# KiCad board tklc_v1_rgb_LP.kicad_pcb
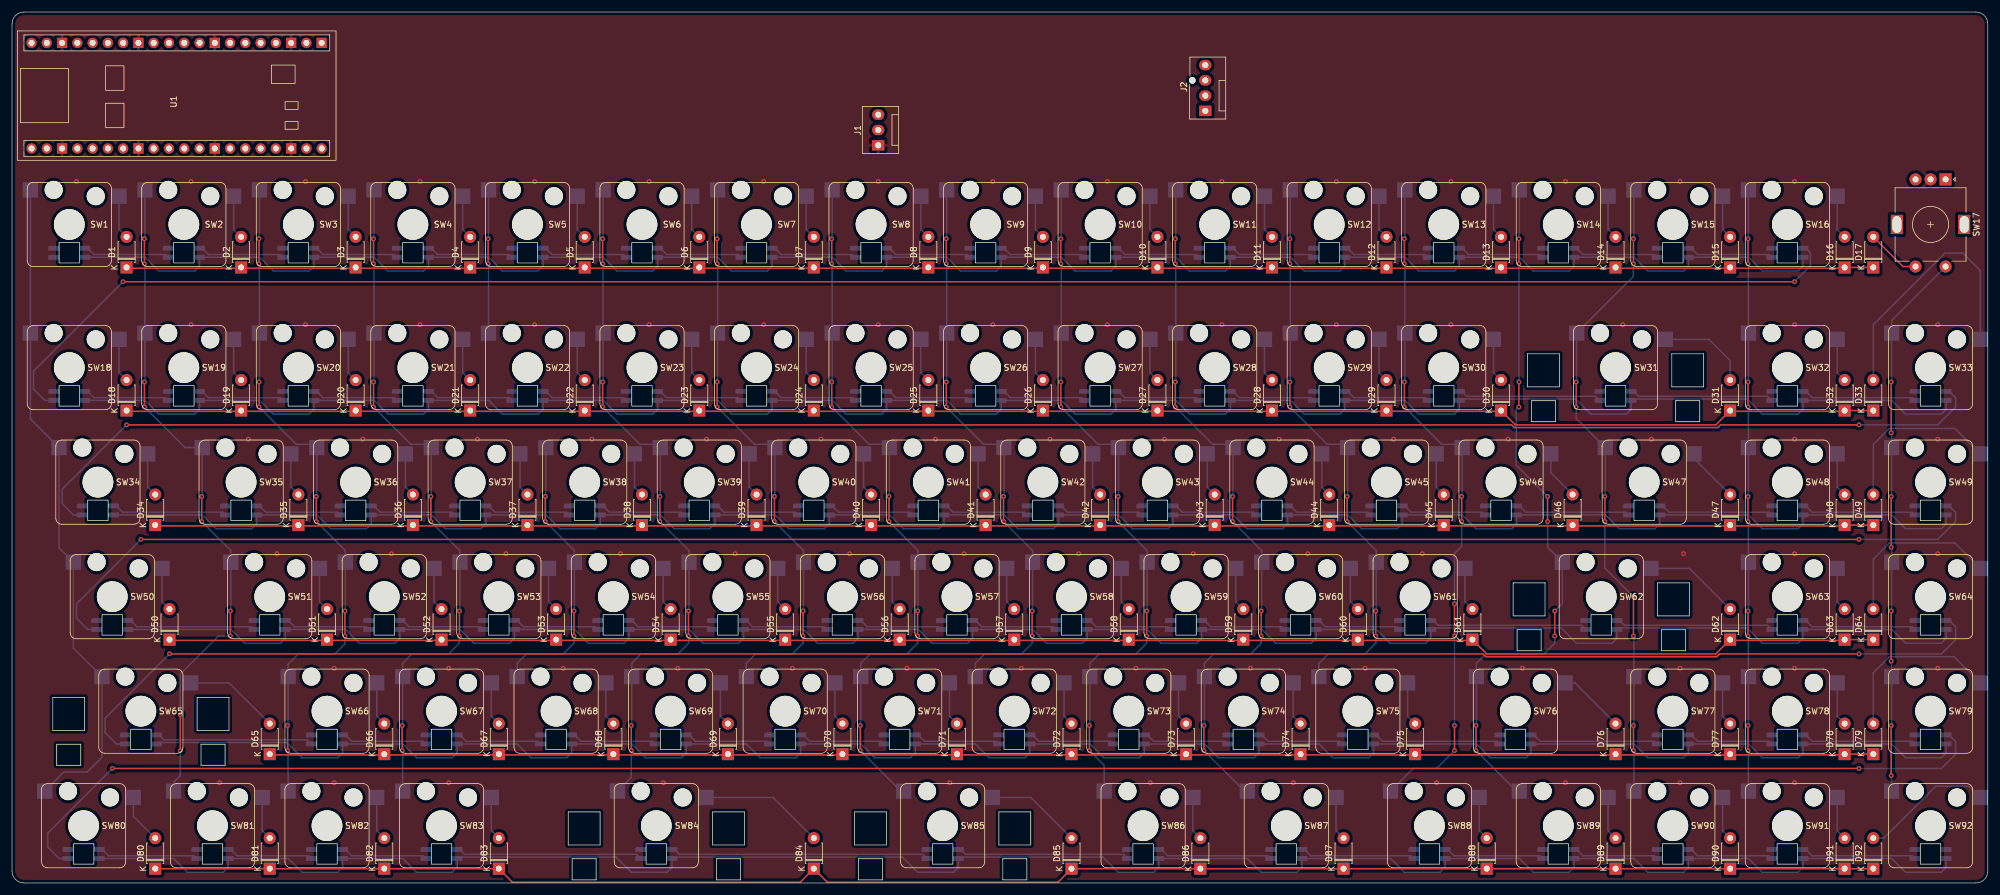
[diagram p0: board, top side]
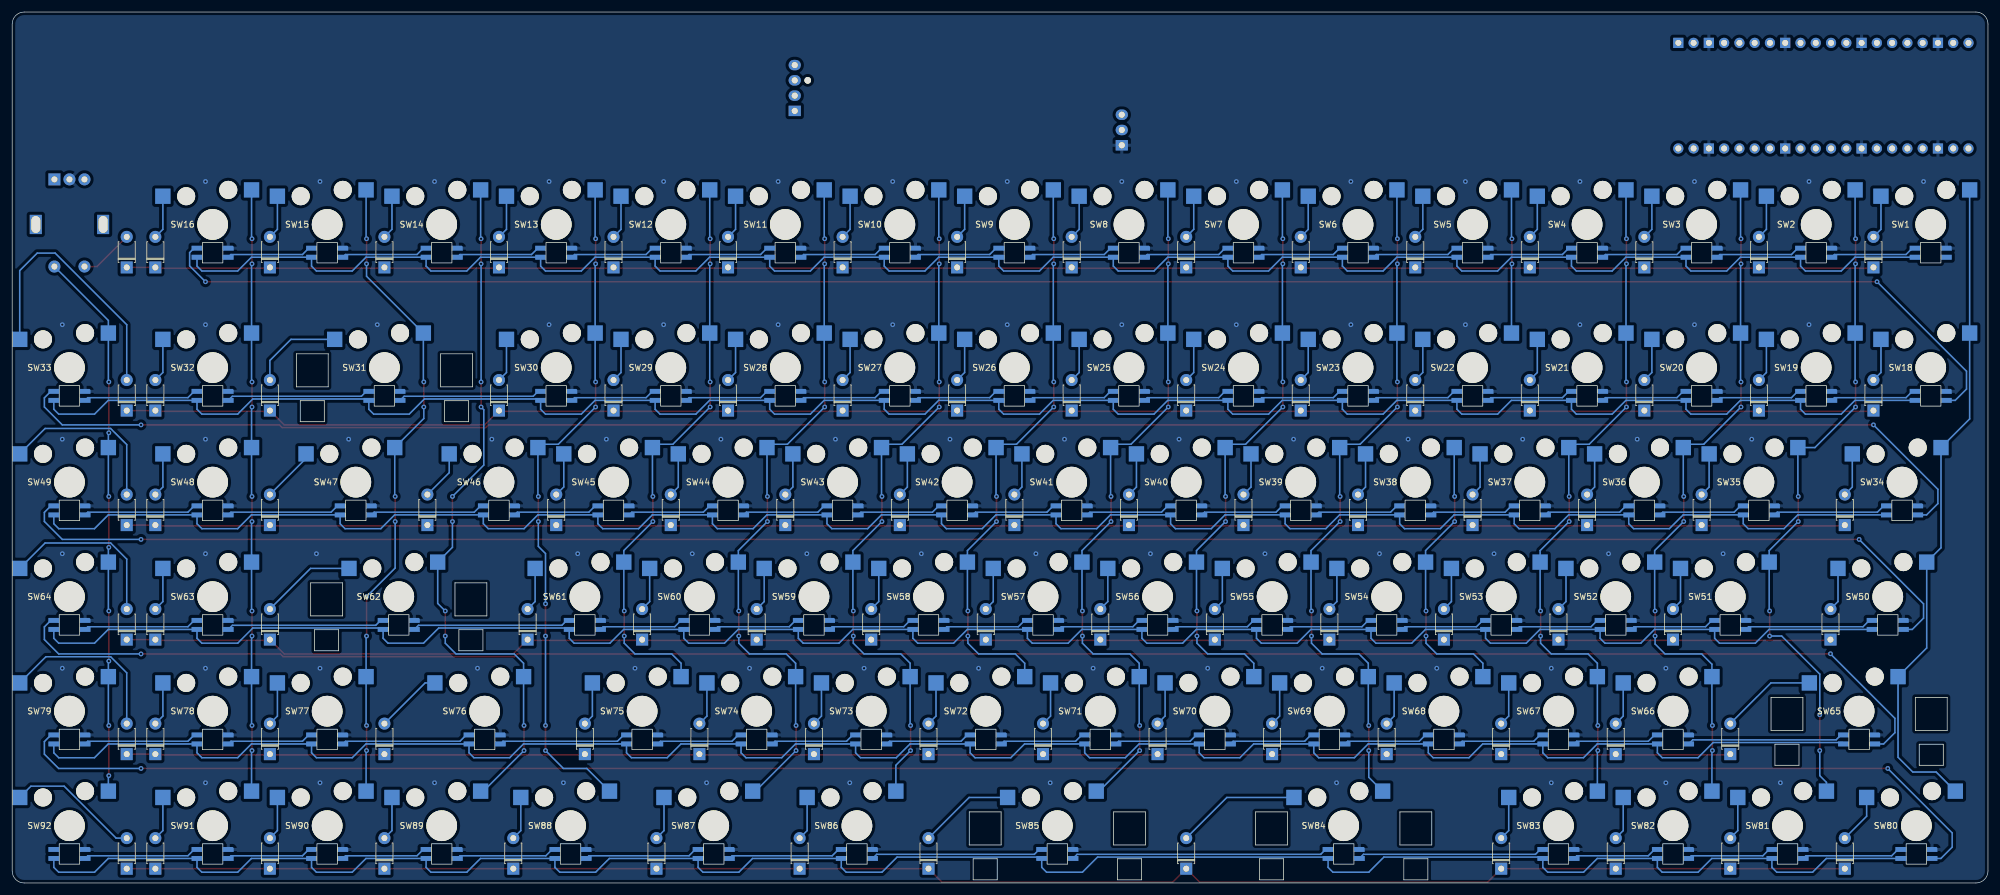
[diagram p1: board, bottom side, seen from below]

Outline 328.61 x 144.88 mm; copper layers: Top, Bottom. Coordinates in mm from the lower left corner of the outline.
Outline path: 0,142.88 arc(0.59,144.29) 2,144.88 326.61,144.88 arc(328.03,144.29) 328.61,142.88 328.61,2 arc(328.03,0.59) 326.61,0 2,0 arc(0.59,0.59) 0,2 0,142.88

## Placement (name value [footprint] x y rotation side)
D1  1N4148  [D_T-1_P5.08mm_Horizontal]  19.05 102.39 90 top
D2  1N4148  [D_T-1_P5.08mm_Horizontal]  38.1 102.39 90 top
D3  1N4148  [D_T-1_P5.08mm_Horizontal]  57.15 102.39 90 top
D4  1N4148  [D_T-1_P5.08mm_Horizontal]  76.2 102.39 90 top
D5  1N4148  [D_T-1_P5.08mm_Horizontal]  95.25 102.39 90 top
D6  1N4148  [D_T-1_P5.08mm_Horizontal]  114.3 102.39 90 top
D7  1N4148  [D_T-1_P5.08mm_Horizontal]  133.35 102.39 90 top
D8  1N4148  [D_T-1_P5.08mm_Horizontal]  152.4 102.39 90 top
D9  1N4148  [D_T-1_P5.08mm_Horizontal]  171.45 102.39 90 top
D10  1N4148  [D_T-1_P5.08mm_Horizontal]  190.5 102.39 90 top
D11  1N4148  [D_T-1_P5.08mm_Horizontal]  209.55 102.39 90 top
D12  1N4148  [D_T-1_P5.08mm_Horizontal]  228.6 102.39 90 top
D13  1N4148  [D_T-1_P5.08mm_Horizontal]  247.65 102.39 90 top
D14  1N4148  [D_T-1_P5.08mm_Horizontal]  266.7 102.39 90 top
D15  1N4148  [D_T-1_P5.08mm_Horizontal]  285.75 102.39 90 top
D16  1N4148  [D_T-1_P5.08mm_Horizontal]  304.8 102.39 90 top
D17  1N4148  [D_T-1_P5.08mm_Horizontal]  309.56 102.39 90 top
D18  1N4148  [D_T-1_P5.08mm_Horizontal]  19.05 78.58 90 top
D19  1N4148  [D_T-1_P5.08mm_Horizontal]  38.1 78.58 90 top
D20  1N4148  [D_T-1_P5.08mm_Horizontal]  57.15 78.58 90 top
D21  1N4148  [D_T-1_P5.08mm_Horizontal]  76.2 78.58 90 top
D22  1N4148  [D_T-1_P5.08mm_Horizontal]  95.25 78.58 90 top
D23  1N4148  [D_T-1_P5.08mm_Horizontal]  114.3 78.58 90 top
D24  1N4148  [D_T-1_P5.08mm_Horizontal]  133.35 78.58 90 top
D25  1N4148  [D_T-1_P5.08mm_Horizontal]  152.4 78.58 90 top
D26  1N4148  [D_T-1_P5.08mm_Horizontal]  171.45 78.58 90 top
D27  1N4148  [D_T-1_P5.08mm_Horizontal]  190.5 78.58 90 top
D28  1N4148  [D_T-1_P5.08mm_Horizontal]  209.55 78.58 90 top
D29  1N4148  [D_T-1_P5.08mm_Horizontal]  228.6 78.58 90 top
D30  1N4148  [D_T-1_P5.08mm_Horizontal]  247.65 78.58 90 top
D31  1N4148  [D_T-1_P5.08mm_Horizontal]  285.75 78.58 90 top
D32  1N4148  [D_T-1_P5.08mm_Horizontal]  304.8 78.58 90 top
D33  1N4148  [D_T-1_P5.08mm_Horizontal]  309.56 78.58 90 top
D34  1N4148  [D_T-1_P5.08mm_Horizontal]  23.81 59.53 90 top
D35  1N4148  [D_T-1_P5.08mm_Horizontal]  47.63 59.53 90 top
D36  1N4148  [D_T-1_P5.08mm_Horizontal]  66.68 59.53 90 top
D37  1N4148  [D_T-1_P5.08mm_Horizontal]  85.73 59.53 90 top
D38  1N4148  [D_T-1_P5.08mm_Horizontal]  104.78 59.53 90 top
D39  1N4148  [D_T-1_P5.08mm_Horizontal]  123.83 59.53 90 top
D40  1N4148  [D_T-1_P5.08mm_Horizontal]  142.88 59.53 90 top
D41  1N4148  [D_T-1_P5.08mm_Horizontal]  161.93 59.53 90 top
D42  1N4148  [D_T-1_P5.08mm_Horizontal]  180.98 59.53 90 top
D43  1N4148  [D_T-1_P5.08mm_Horizontal]  200.03 59.53 90 top
D44  1N4148  [D_T-1_P5.08mm_Horizontal]  219.08 59.53 90 top
D45  1N4148  [D_T-1_P5.08mm_Horizontal]  238.13 59.53 90 top
D46  1N4148  [D_T-1_P5.08mm_Horizontal]  259.56 59.53 90 top
D47  1N4148  [D_T-1_P5.08mm_Horizontal]  285.75 59.53 90 top
D48  1N4148  [D_T-1_P5.08mm_Horizontal]  304.8 59.53 90 top
D49  1N4148  [D_T-1_P5.08mm_Horizontal]  309.56 59.53 90 top
D50  1N4148  [D_T-1_P5.08mm_Horizontal]  26.19 40.48 90 top
D51  1N4148  [D_T-1_P5.08mm_Horizontal]  52.39 40.48 90 top
D52  1N4148  [D_T-1_P5.08mm_Horizontal]  71.44 40.48 90 top
D53  1N4148  [D_T-1_P5.08mm_Horizontal]  90.49 40.48 90 top
D54  1N4148  [D_T-1_P5.08mm_Horizontal]  109.54 40.48 90 top
D55  1N4148  [D_T-1_P5.08mm_Horizontal]  128.59 40.48 90 top
D56  1N4148  [D_T-1_P5.08mm_Horizontal]  147.64 40.48 90 top
D57  1N4148  [D_T-1_P5.08mm_Horizontal]  166.69 40.48 90 top
D58  1N4148  [D_T-1_P5.08mm_Horizontal]  185.74 40.48 90 top
D59  1N4148  [D_T-1_P5.08mm_Horizontal]  204.79 40.48 90 top
D60  1N4148  [D_T-1_P5.08mm_Horizontal]  223.84 40.48 90 top
D61  1N4148  [D_T-1_P5.08mm_Horizontal]  242.89 40.48 90 top
D62  1N4148  [D_T-1_P5.08mm_Horizontal]  285.75 40.48 90 top
D63  1N4148  [D_T-1_P5.08mm_Horizontal]  304.8 40.48 90 top
D64  1N4148  [D_T-1_P5.08mm_Horizontal]  309.56 40.48 90 top
D65  1N4148  [D_T-1_P5.08mm_Horizontal]  42.86 21.43 90 top
D66  1N4148  [D_T-1_P5.08mm_Horizontal]  61.91 21.43 90 top
D67  1N4148  [D_T-1_P5.08mm_Horizontal]  80.96 21.43 90 top
D68  1N4148  [D_T-1_P5.08mm_Horizontal]  100.01 21.43 90 top
D69  1N4148  [D_T-1_P5.08mm_Horizontal]  119.06 21.43 90 top
D70  1N4148  [D_T-1_P5.08mm_Horizontal]  138.11 21.43 90 top
D71  1N4148  [D_T-1_P5.08mm_Horizontal]  157.16 21.43 90 top
D72  1N4148  [D_T-1_P5.08mm_Horizontal]  176.21 21.43 90 top
D73  1N4148  [D_T-1_P5.08mm_Horizontal]  195.26 21.43 90 top
D74  1N4148  [D_T-1_P5.08mm_Horizontal]  214.31 21.43 90 top
D75  1N4148  [D_T-1_P5.08mm_Horizontal]  233.36 21.43 90 top
D76  1N4148  [D_T-1_P5.08mm_Horizontal]  266.7 21.43 90 top
D77  1N4148  [D_T-1_P5.08mm_Horizontal]  285.75 21.43 90 top
D78  1N4148  [D_T-1_P5.08mm_Horizontal]  304.8 21.43 90 top
D79  1N4148  [D_T-1_P5.08mm_Horizontal]  309.56 21.43 90 top
D80  1N4148  [D_T-1_P5.08mm_Horizontal]  23.81 2.38 90 top
D81  1N4148  [D_T-1_P5.08mm_Horizontal]  42.86 2.38 90 top
D82  1N4148  [D_T-1_P5.08mm_Horizontal]  61.91 2.38 90 top
D83  1N4148  [D_T-1_P5.08mm_Horizontal]  80.96 2.38 90 top
D84  1N4148  [D_T-1_P5.08mm_Horizontal]  133.35 2.38 90 top
D85  1N4148  [D_T-1_P5.08mm_Horizontal]  176.21 2.38 90 top
D86  1N4148  [D_T-1_P5.08mm_Horizontal]  197.64 2.38 90 top
D87  1N4148  [D_T-1_P5.08mm_Horizontal]  221.46 2.38 90 top
D88  1N4148  [D_T-1_P5.08mm_Horizontal]  245.27 2.38 90 top
D89  1N4148  [D_T-1_P5.08mm_Horizontal]  266.7 2.38 90 top
D90  1N4148  [D_T-1_P5.08mm_Horizontal]  285.75 2.38 90 top
D91  1N4148  [D_T-1_P5.08mm_Horizontal]  304.8 2.38 90 top
D92  1N4148  [D_T-1_P5.08mm_Horizontal]  309.56 2.38 90 top
J1  UART breakout for extension board  [FanPinHeader_1x03_P2.54mm_Vertical]  144.07 122.71 90 top
J2  Encoder breakout  [FanPinHeader_1x04_P2.54mm_Vertical]  198.46 128.43 90 top
Kailh PG1350  Choc  [kailh_Stabilizer]  266.7 85.73 180 top
Kailh PG1350#2  Choc  [kailh_Stabilizer]  107.16 9.53 180 top
Kailh PG1350#3  Choc  [kailh_Stabilizer]  154.78 9.53 180 top
Kailh PG1350#4  Choc  [kailh_Stabilizer]  264.32 47.63 180 top
Kailh PG1350#5  Choc  [kailh_Stabilizer]  21.43 28.58 180 top
SW1  CherryMX_LED  [GateronLP_1.00u_PCB_Socket_RGB]  9.53 109.54 0 top
SW2  CherryMX_LED  [GateronLP_1.00u_PCB_Socket_RGB]  28.58 109.54 0 top
SW3  CherryMX_LED  [GateronLP_1.00u_PCB_Socket_RGB]  47.63 109.54 0 top
SW4  CherryMX_LED  [GateronLP_1.00u_PCB_Socket_RGB]  66.68 109.54 0 top
SW5  CherryMX_LED  [GateronLP_1.00u_PCB_Socket_RGB]  85.73 109.54 0 top
SW6  CherryMX_LED  [GateronLP_1.00u_PCB_Socket_RGB]  104.78 109.54 0 top
SW7  CherryMX_LED  [GateronLP_1.00u_PCB_Socket_RGB]  123.83 109.54 0 top
SW8  CherryMX_LED  [GateronLP_1.00u_PCB_Socket_RGB]  142.88 109.54 0 top
SW9  CherryMX_LED  [GateronLP_1.00u_PCB_Socket_RGB]  161.93 109.54 0 top
SW10  CherryMX_LED  [GateronLP_1.00u_PCB_Socket_RGB]  180.98 109.54 0 top
SW11  CherryMX_LED  [GateronLP_1.00u_PCB_Socket_RGB]  200.03 109.54 0 top
SW12  CherryMX_LED  [GateronLP_1.00u_PCB_Socket_RGB]  219.08 109.54 0 top
SW13  CherryMX_LED  [GateronLP_1.00u_PCB_Socket_RGB]  238.13 109.54 0 top
SW14  CherryMX_LED  [GateronLP_1.00u_PCB_Socket_RGB]  257.18 109.54 0 top
SW15  CherryMX_LED  [GateronLP_1.00u_PCB_Socket_RGB]  276.23 109.54 0 top
SW16  CherryMX_LED  [GateronLP_1.00u_PCB_Socket_RGB]  295.28 109.54 0 top
SW17  RotaryEncoder_Switch  [EDIT_RotaryEncoder_Alps_EC11E-Switch_Vertical_H20mm]  319.09 109.54 270 top
SW18  CherryMX_LED  [GateronLP_1.00u_PCB_Socket_RGB]  9.53 85.73 0 top
SW19  CherryMX_LED  [GateronLP_1.00u_PCB_Socket_RGB]  28.58 85.73 0 top
SW20  CherryMX_LED  [GateronLP_1.00u_PCB_Socket_RGB]  47.63 85.73 0 top
SW21  CherryMX_LED  [GateronLP_1.00u_PCB_Socket_RGB]  66.68 85.73 0 top
SW22  CherryMX_LED  [GateronLP_1.00u_PCB_Socket_RGB]  85.73 85.73 0 top
SW23  CherryMX_LED  [GateronLP_1.00u_PCB_Socket_RGB]  104.78 85.73 0 top
SW24  CherryMX_LED  [GateronLP_1.00u_PCB_Socket_RGB]  123.83 85.73 0 top
SW25  CherryMX_LED  [GateronLP_1.00u_PCB_Socket_RGB]  142.88 85.73 0 top
SW26  CherryMX_LED  [GateronLP_1.00u_PCB_Socket_RGB]  161.93 85.73 0 top
SW27  CherryMX_LED  [GateronLP_1.00u_PCB_Socket_RGB]  180.98 85.73 0 top
SW28  CherryMX_LED  [GateronLP_1.00u_PCB_Socket_RGB]  200.03 85.73 0 top
SW29  CherryMX_LED  [GateronLP_1.00u_PCB_Socket_RGB]  219.08 85.73 0 top
SW30  CherryMX_LED  [GateronLP_1.00u_PCB_Socket_RGB]  238.13 85.73 0 top
SW31  CherryMX_LED  [GateronLP_2.00u_PCB_Socket_RGB_Stab]  266.7 85.73 0 top
SW32  CherryMX_LED  [GateronLP_1.00u_PCB_Socket_RGB]  295.28 85.73 0 top
SW33  CherryMX_LED  [GateronLP_1.00u_PCB_Socket_RGB]  319.09 85.73 0 top
SW34  CherryMX_LED  [GateronLP_1.50u_PCB_Socket_RGB]  14.29 66.68 0 top
SW35  CherryMX_LED  [GateronLP_1.00u_PCB_Socket_RGB]  38.1 66.68 0 top
SW36  CherryMX_LED  [GateronLP_1.00u_PCB_Socket_RGB]  57.15 66.68 0 top
SW37  CherryMX_LED  [GateronLP_1.00u_PCB_Socket_RGB]  76.2 66.68 0 top
SW38  CherryMX_LED  [GateronLP_1.00u_PCB_Socket_RGB]  95.25 66.68 0 top
SW39  CherryMX_LED  [GateronLP_1.00u_PCB_Socket_RGB]  114.3 66.68 0 top
SW40  CherryMX_LED  [GateronLP_1.00u_PCB_Socket_RGB]  133.35 66.68 0 top
SW41  CherryMX_LED  [GateronLP_1.00u_PCB_Socket_RGB]  152.4 66.68 0 top
SW42  CherryMX_LED  [GateronLP_1.00u_PCB_Socket_RGB]  171.45 66.68 0 top
SW43  CherryMX_LED  [GateronLP_1.00u_PCB_Socket_RGB]  190.5 66.68 0 top
SW44  CherryMX_LED  [GateronLP_1.00u_PCB_Socket_RGB]  209.55 66.68 0 top
SW45  CherryMX_LED  [GateronLP_1.00u_PCB_Socket_RGB]  228.6 66.68 0 top
SW46  CherryMX_LED  [GateronLP_1.00u_PCB_Socket_RGB]  247.65 66.68 0 top
SW47  CherryMX_LED  [GateronLP_1.00u_PCB_Socket_RGB]  271.46 66.68 0 top
SW48  CherryMX_LED  [GateronLP_1.00u_PCB_Socket_RGB]  295.28 66.68 0 top
SW49  CherryMX_LED  [GateronLP_1.00u_PCB_Socket_RGB]  319.09 66.68 0 top
SW50  CherryMX_LED  [GateronLP_1.75u_PCB_Socket_RGB]  16.67 47.63 0 top
SW51  CherryMX_LED  [GateronLP_1.00u_PCB_Socket_RGB]  42.86 47.63 0 top
SW52  CherryMX_LED  [GateronLP_1.00u_PCB_Socket_RGB]  61.91 47.63 0 top
SW53  CherryMX_LED  [GateronLP_1.00u_PCB_Socket_RGB]  80.96 47.63 0 top
SW54  CherryMX_LED  [GateronLP_1.00u_PCB_Socket_RGB]  100.01 47.63 0 top
SW55  CherryMX_LED  [GateronLP_1.00u_PCB_Socket_RGB]  119.06 47.63 0 top
SW56  CherryMX_LED  [GateronLP_1.00u_PCB_Socket_RGB]  138.11 47.63 0 top
SW57  CherryMX_LED  [GateronLP_1.00u_PCB_Socket_RGB]  157.16 47.63 0 top
SW58  CherryMX_LED  [GateronLP_1.00u_PCB_Socket_RGB]  176.21 47.63 0 top
SW59  CherryMX_LED  [GateronLP_1.00u_PCB_Socket_RGB]  195.26 47.63 0 top
SW60  CherryMX_LED  [GateronLP_1.00u_PCB_Socket_RGB]  214.31 47.63 0 top
SW61  CherryMX_LED  [GateronLP_1.00u_PCB_Socket_RGB]  233.36 47.63 0 top
SW62  CherryMX_LED  [GateronLP_2.25u_PCB_Socket_RGB_Stab]  264.32 47.63 0 top
SW63  CherryMX_LED  [GateronLP_1.00u_PCB_Socket_RGB]  295.28 47.63 0 top
SW64  CherryMX_LED  [GateronLP_1.00u_PCB_Socket_RGB]  319.09 47.63 0 top
SW65  CherryMX_LED  [GateronLP_2.25u_PCB_Socket_RGB_Stab]  21.43 28.58 0 top
SW66  CherryMX_LED  [GateronLP_1.00u_PCB_Socket_RGB]  52.39 28.58 0 top
SW67  CherryMX_LED  [GateronLP_1.00u_PCB_Socket_RGB]  71.44 28.58 0 top
SW68  CherryMX_LED  [GateronLP_1.00u_PCB_Socket_RGB]  90.49 28.58 0 top
SW69  CherryMX_LED  [GateronLP_1.00u_PCB_Socket_RGB]  109.54 28.58 0 top
SW70  CherryMX_LED  [GateronLP_1.00u_PCB_Socket_RGB]  128.59 28.58 0 top
SW71  CherryMX_LED  [GateronLP_1.00u_PCB_Socket_RGB]  147.64 28.58 0 top
SW72  CherryMX_LED  [GateronLP_1.00u_PCB_Socket_RGB]  166.69 28.58 0 top
SW73  CherryMX_LED  [GateronLP_1.00u_PCB_Socket_RGB]  185.74 28.58 0 top
SW74  CherryMX_LED  [GateronLP_1.00u_PCB_Socket_RGB]  204.79 28.58 0 top
SW75  CherryMX_LED  [GateronLP_1.00u_PCB_Socket_RGB]  223.84 28.58 0 top
SW76  CherryMX_LED  [GateronLP_1.75u_PCB_Socket_RGB]  250.03 28.58 0 top
SW77  CherryMX_LED  [GateronLP_1.00u_PCB_Socket_RGB]  276.23 28.58 0 top
SW78  CherryMX_LED  [GateronLP_1.00u_PCB_Socket_RGB]  295.28 28.58 0 top
SW79  CherryMX_LED  [GateronLP_1.00u_PCB_Socket_RGB]  319.09 28.58 0 top
SW80  CherryMX_LED  [GateronLP_1.25u_PCB_Socket_RGB]  11.91 9.53 0 top
SW81  CherryMX_LED  [GateronLP_1.00u_PCB_Socket_RGB]  33.34 9.53 0 top
SW82  CherryMX_LED  [GateronLP_1.00u_PCB_Socket_RGB]  52.39 9.53 0 top
SW83  CherryMX_LED  [GateronLP_1.00u_PCB_Socket_RGB]  71.44 9.53 0 top
SW84  CherryMX_LED  [GateronLP_2.75u_PCB_Socket_RGB_Stab]  107.16 9.53 0 top
SW85  CherryMX_LED  [GateronLP_2.25u_PCB_Socket_RGB_Stab]  154.78 9.53 0 top
SW86  CherryMX_LED  [GateronLP_1.25u_PCB_Socket_RGB]  188.12 9.53 0 top
SW87  CherryMX_LED  [GateronLP_1.25u_PCB_Socket_RGB]  211.93 9.53 0 top
SW88  CherryMX_LED  [GateronLP_1.25u_PCB_Socket_RGB]  235.74 9.53 0 top
SW89  CherryMX_LED  [GateronLP_1.00u_PCB_Socket_RGB]  257.18 9.53 0 top
SW90  CherryMX_LED  [GateronLP_1.00u_PCB_Socket_RGB]  276.23 9.53 0 top
SW91  CherryMX_LED  [GateronLP_1.00u_PCB_Socket_RGB]  295.28 9.53 0 top
SW92  CherryMX_LED  [GateronLP_1.00u_PCB_Socket_RGB]  319.09 9.53 0 top
U1  -  [WeAct-RP2040-Pico]  27.38 130.97 90 top

## Footprints (pads in the part's own frame, mm; a bottom-side part is the same pattern mirrored in y, then rotated)
D_T-1_P5.08mm_Horizontal
  rect 2x2 hole 1: 1(0,0)
  oval 2x2 hole 1: 2(5.08,0)
EDIT_RotaryEncoder_Alps_EC11E-Switch_Vertical_H20mm
  rect 2x2 hole 1: A(-7.5,2.5)
  round 2 hole 1: B(-7.5,-2.5) C(-7.5,0) S1(7,2.5) S2(7,-2.5)
  rect 3.2x2 hole 2.8x1.5: MP(0,5.6) MP(0,-5.6)
FanPinHeader_1x03_P2.54mm_Vertical
  rect 1.73x2.03 hole 1.02: 1(0,0)
  oval 1.73x2.03 hole 1.02: 2(2.54,0) 3(5.08,0)
FanPinHeader_1x04_P2.54mm_Vertical
  round 1.1 hole 1.1 unplated: (5.08,2.16)
  rect 1.73x2.03 hole 1.02: 1(0,0)
  oval 1.73x2.03 hole 1.02: 2(2.54,0) 3(5.08,0) 4(7.62,0)
GateronLP_1.00u_PCB_Socket_RGB
  round 3 hole 3 unplated: (-2.6,5.75) (4.4,4.7)
  round 5.1 hole 5.1 unplated: (0,0)
  rect 2.55x2.55 smd far side: 1(8.275,4.7) 2(-6.475,5.75)
  rect 1.8x0.82 smd far side: 3(2.6,-5.45) 4(-2.6,-5.45) 5(2.6,-3.95)
  rrect 1.8x0.82 smd far side: 6(-2.6,-3.95)
GateronLP_1.25u_PCB_Socket_RGB
  round 3 hole 3 unplated: (-2.6,5.75) (4.4,4.7)
  round 5.1 hole 5.1 unplated: (0,0)
  rect 2.55x2.55 smd far side: 1(8.275,4.7) 2(-6.475,5.75)
  rect 1.8x0.82 smd far side: 3(2.6,-5.45) 4(-2.6,-5.45) 5(2.6,-3.95)
  rrect 1.8x0.82 smd far side: 6(-2.6,-3.95)
GateronLP_1.50u_PCB_Socket_RGB
  round 3 hole 3 unplated: (-2.6,5.75) (4.4,4.7)
  round 5.1 hole 5.1 unplated: (0,0)
  rect 2.55x2.55 smd far side: 1(8.275,4.7) 2(-6.475,5.75)
  rect 1.8x0.82 smd far side: 3(2.6,-5.45) 4(-2.6,-5.45) 5(2.6,-3.95)
  rrect 1.8x0.82 smd far side: 6(-2.6,-3.95)
GateronLP_1.75u_PCB_Socket_RGB
  round 3 hole 3 unplated: (-2.6,5.75) (4.4,4.7)
  round 5.1 hole 5.1 unplated: (0,0)
  rect 2.55x2.55 smd far side: 1(8.275,4.7) 2(-6.475,5.75)
  rect 1.8x0.82 smd far side: 3(2.6,-5.45) 4(-2.6,-5.45) 5(2.6,-3.95)
  rrect 1.8x0.82 smd far side: 6(-2.6,-3.95)
GateronLP_2.00u_PCB_Socket_RGB_Stab
  round 3 hole 3 unplated: (-2.6,5.75) (4.4,4.7)
  round 5.1 hole 5.1 unplated: (0,0)
  rect 2.55x2.55 smd far side: 1(8.275,4.7) 2(-6.475,5.75)
  rect 1.8x0.82 smd far side: 3(2.6,-5.45) 4(-2.6,-5.45) 5(2.6,-3.95)
  rrect 1.8x0.82 smd far side: 6(-2.6,-3.95)
GateronLP_2.25u_PCB_Socket_RGB_Stab
  round 3 hole 3 unplated: (-2.6,5.75) (4.4,4.7)
  round 5.1 hole 5.1 unplated: (0,0)
  rect 2.55x2.55 smd far side: 1(8.275,4.7) 2(-6.475,5.75)
  rect 1.8x0.82 smd far side: 3(2.6,-5.45) 4(-2.6,-5.45) 5(2.6,-3.95)
  rrect 1.8x0.82 smd far side: 6(-2.6,-3.95)
GateronLP_2.75u_PCB_Socket_RGB_Stab
  round 3 hole 3 unplated: (-2.6,5.75) (4.4,4.7)
  round 5.1 hole 5.1 unplated: (0,0)
  rect 2.55x2.55 smd far side: 1(8.275,4.7) 2(-6.475,5.75)
  rect 1.8x0.82 smd far side: 3(2.6,-5.45) 4(-2.6,-5.45) 5(2.6,-3.95)
  rrect 1.8x0.82 smd far side: 6(-2.6,-3.95)
WeAct-RP2040-Pico
  round 1.7 hole 1: 1(-8.79,24.142) 40(8.774,24.142)
  oval 1.7x1.7 hole 1: 2(-8.79,21.602) 4(-8.79,16.522) 5(-8.79,13.982) 6(-8.79,11.442) 7(-8.79,8.902) 9(-8.79,3.822) 10(-8.79,1.282) 11(-8.79,-1.258) 12(-8.79,-3.798) 14(-8.79,-8.878) 15(-8.79,-11.418) 16(-8.79,-13.958) 17(-8.79,-16.498) 19(-8.79,-21.578) 20(-8.79,-24.118) 22(8.774,-21.578) 24(8.774,-16.498) 25(8.774,-13.958) 26(8.774,-11.418) 27(8.774,-8.878) 29(8.774,-3.798) 30(8.774,-1.258) 31(8.774,1.282) 32(8.774,3.822) 34(8.774,8.902) 35(8.774,11.442) 36(8.774,13.982) 37(8.774,16.522) 39(8.774,21.602)
  rect 1.7x1.7 hole 1: 3(-8.79,19.062) 8(-8.79,6.362) 13(-8.79,-6.338) 18(-8.79,-19.038) 21(8.774,-24.118) 23(8.774,-19.038) 28(8.774,-6.338) 33(8.774,6.362) 38(8.774,19.062)

## Nets
/3V3: J1.3 U1.37
/VBUS: U1.40
GND: J1.1 SW1.6 SW2.6 SW3.6 SW4.6 SW5.6 SW6.6 SW7.6 SW8.6 SW9.6 SW10.6 SW11.6 SW12.6 SW13.6 SW14.6 SW15.6 SW16.6 SW17.C SW18.6 SW19.6 SW20.6 SW21.6 SW22.6 SW23.6 SW24.6 SW25.6 SW26.6 SW27.6 SW28.6 SW29.6 SW30.6 SW31.6 SW32.6 SW33.6 SW34.6 SW35.6 SW36.6 SW37.6 SW38.6 SW39.6 SW40.6 SW41.6 SW42.6 SW43.6 SW44.6 SW45.6 SW46.6 SW47.6 SW48.6 SW49.6 SW50.6 SW51.6 SW52.6 SW53.6 SW54.6 SW55.6 SW56.6 SW57.6 SW58.6 SW59.6 SW60.6 SW61.6 SW62.6 SW63.6 SW64.6 SW65.6 SW66.6 SW67.6 SW68.6 SW69.6 SW70.6 SW71.6 SW72.6 SW73.6 SW74.6 SW75.6 SW76.6 SW77.6 SW78.6 SW79.6 SW80.6 SW81.6 SW82.6 SW83.6 SW84.6 SW85.6 SW86.6 SW87.6 SW88.6 SW89.6 SW90.6 SW91.6 SW92.6 U1.3 U1.8 U1.13 U1.18 U1.23 U1.28 U1.33 U1.38
/ADC_VREF: U1.35
/col0: SW1.2 SW18.2 SW34.2 SW50.2 SW65.2 SW80.2 U1.1
/col1: SW2.2 SW19.2 SW35.2 SW51.2 SW81.2 U1.2
/col2: SW3.2 SW20.2 SW36.2 SW52.2 SW66.2 SW82.2 U1.4
/col3: SW4.2 SW21.2 SW37.2 SW53.2 SW67.2 SW83.2 U1.5
/col4: SW5.2 SW22.2 SW38.2 SW54.2 SW68.2 U1.6
/col5: SW6.2 SW23.2 SW39.2 SW55.2 SW69.2 SW84.2 U1.7
/col6: SW7.2 SW24.2 SW40.2 SW56.2 SW70.2 U1.9
/col7: SW8.2 SW25.2 SW41.2 SW57.2 SW71.2 SW85.2 U1.10
/col8: SW9.2 SW26.2 SW42.2 SW58.2 SW72.2 U1.11
/col9: SW10.2 SW27.2 SW43.2 SW59.2 SW73.2 SW86.2 U1.12
/col10: SW11.2 SW28.2 SW44.2 SW60.2 SW74.2 SW87.2 U1.14
/col11: SW12.2 SW29.2 SW45.2 SW61.2 SW75.2 U1.15
/col12: SW13.2 SW30.2 SW46.2 SW88.2 U1.16
/col13: SW14.2 SW62.2 SW76.2 SW89.2 U1.17
/col14: SW15.2 SW31.2 SW47.2 SW77.2 SW90.2 U1.19
/col15: SW16.2 SW32.2 SW48.2 SW63.2 SW78.2 SW91.2 U1.20
/col16: J2.3 SW17.S1 SW33.2 SW49.2 SW64.2 SW79.2 SW92.2 U1.21
/EncoderA: J2.1 SW17.A U1.36
/EncoderB: J2.2 SW17.B U1.34
/LED_CONTROL: U1.24
/PWR: SW80.3 SW81.3 SW82.3 SW83.3 SW84.3 SW85.3 SW86.3 SW87.3 SW88.3 SW89.3 SW90.3 SW91.3 SW92.3
/RGB_DATA: SW1.4 U1.22
/RGB_PWR: SW1.3 SW2.3 SW3.3 SW4.3 SW5.3 SW6.3 SW7.3 SW8.3 SW9.3 SW10.3 SW11.3 SW12.3 SW13.3 SW14.3 SW15.3 SW16.3 SW18.3 SW19.3 SW20.3 SW21.3 SW22.3 SW23.3 SW24.3 SW25.3 SW26.3 SW27.3 SW28.3 SW29.3 SW30.3 SW31.3 SW32.3 SW33.3 SW34.3 SW35.3 SW36.3 SW37.3 SW38.3 SW39.3 SW40.3 SW41.3 SW42.3 SW43.3 SW44.3 SW45.3 SW46.3 SW47.3 SW48.3 SW49.3 SW50.3 SW51.3 SW52.3 SW53.3 SW54.3 SW55.3 SW56.3 SW57.3 SW58.3 SW59.3 SW60.3 SW61.3 SW62.3 SW63.3 SW64.3 SW65.3 SW66.3 SW67.3 SW68.3 SW69.3 SW70.3 SW71.3 SW72.3 SW73.3 SW74.3 SW75.3 SW76.3 SW77.3 SW78.3 SW79.3 U1.39
/row0: D1.1 D2.1 D3.1 D4.1 D5.1 D6.1 D7.1 D8.1 D9.1 D10.1 D11.1 D12.1 D13.1 D14.1 D15.1 D16.1 D17.1 J2.4 U1.32
/row1: D18.1 D19.1 D20.1 D21.1 D22.1 D23.1 D24.1 D25.1 D26.1 D27.1 D28.1 D29.1 D30.1 D31.1 D32.1 D33.1 U1.31
/row2: D34.1 D35.1 D36.1 D37.1 D38.1 D39.1 D40.1 D41.1 D42.1 D43.1 D44.1 D45.1 D46.1 D47.1 D48.1 D49.1 U1.30
/row3: D50.1 D51.1 D52.1 D53.1 D54.1 D55.1 D56.1 D57.1 D58.1 D59.1 D60.1 D61.1 D62.1 D63.1 D64.1 U1.29
/row4: D65.1 D66.1 D67.1 D68.1 D69.1 D70.1 D71.1 D72.1 D73.1 D74.1 D75.1 D76.1 D77.1 D78.1 D79.1 U1.27
/row5: D80.1 D81.1 D82.1 D83.1 D84.1 D85.1 D86.1 D87.1 D88.1 D89.1 D90.1 D91.1 D92.1 U1.26
/UART_CONNECT: J1.2 U1.25
Net-(D1-Pad2): D1.2 SW1.1
Net-(D2-Pad2): D2.2 SW2.1
Net-(D3-Pad2): D3.2 SW3.1
Net-(D4-Pad2): D4.2 SW4.1
Net-(D5-Pad2): D5.2 SW5.1
Net-(D6-Pad2): D6.2 SW6.1
Net-(D7-Pad2): D7.2 SW7.1
Net-(D8-Pad2): D8.2 SW8.1
Net-(D9-Pad2): D9.2 SW9.1
Net-(D10-Pad2): D10.2 SW10.1
Net-(D11-Pad2): D11.2 SW11.1
Net-(D12-Pad2): D12.2 SW12.1
Net-(D13-Pad2): D13.2 SW13.1
Net-(D14-Pad2): D14.2 SW14.1
Net-(D15-Pad2): D15.2 SW15.1
Net-(D16-Pad2): D16.2 SW16.1
Net-(D17-Pad2): D17.2 SW17.S2
Net-(D18-Pad2): D18.2 SW18.1
Net-(D19-Pad2): D19.2 SW19.1
Net-(D20-Pad2): D20.2 SW20.1
Net-(D21-Pad2): D21.2 SW21.1
Net-(D22-Pad2): D22.2 SW22.1
Net-(D23-Pad2): D23.2 SW23.1
Net-(D24-Pad2): D24.2 SW24.1
Net-(D25-Pad2): D25.2 SW25.1
Net-(D26-Pad2): D26.2 SW26.1
Net-(D27-Pad2): D27.2 SW27.1
Net-(D28-Pad2): D28.2 SW28.1
Net-(D29-Pad2): D29.2 SW29.1
Net-(D30-Pad2): D30.2 SW30.1
Net-(D31-Pad2): D31.2 SW31.1
Net-(D32-Pad2): D32.2 SW32.1
Net-(D33-Pad2): D33.2 SW33.1
Net-(D34-Pad2): D34.2 SW34.1
Net-(D35-Pad2): D35.2 SW35.1
Net-(D36-Pad2): D36.2 SW36.1
Net-(D37-Pad2): D37.2 SW37.1
Net-(D38-Pad2): D38.2 SW38.1
Net-(D39-Pad2): D39.2 SW39.1
Net-(D40-Pad2): D40.2 SW40.1
Net-(D41-Pad2): D41.2 SW41.1
Net-(D42-Pad2): D42.2 SW42.1
Net-(D43-Pad2): D43.2 SW43.1
Net-(D44-Pad2): D44.2 SW44.1
Net-(D45-Pad2): D45.2 SW45.1
Net-(D46-Pad2): D46.2 SW46.1
Net-(D47-Pad2): D47.2 SW47.1
Net-(D48-Pad2): D48.2 SW48.1
Net-(D49-Pad2): D49.2 SW49.1
Net-(D50-Pad2): D50.2 SW50.1
Net-(D51-Pad2): D51.2 SW51.1
Net-(D52-Pad2): D52.2 SW52.1
Net-(D53-Pad2): D53.2 SW53.1
Net-(D54-Pad2): D54.2 SW54.1
Net-(D55-Pad2): D55.2 SW55.1
Net-(D56-Pad2): D56.2 SW56.1
Net-(D57-Pad2): D57.2 SW57.1
Net-(D58-Pad2): D58.2 SW58.1
Net-(D59-Pad2): D59.2 SW59.1
Net-(D60-Pad2): D60.2 SW60.1
Net-(D61-Pad2): D61.2 SW61.1
Net-(D62-Pad2): D62.2 SW62.1
Net-(D63-Pad2): D63.2 SW63.1
Net-(D64-Pad2): D64.2 SW64.1
Net-(D65-Pad2): D65.2 SW65.1
Net-(D66-Pad2): D66.2 SW66.1
Net-(D67-Pad2): D67.2 SW67.1
Net-(D68-Pad2): D68.2 SW68.1
Net-(D69-Pad2): D69.2 SW69.1